# Altium PCB CGRA_Board_3.PcbDoc (part 5 of 7) (continued)
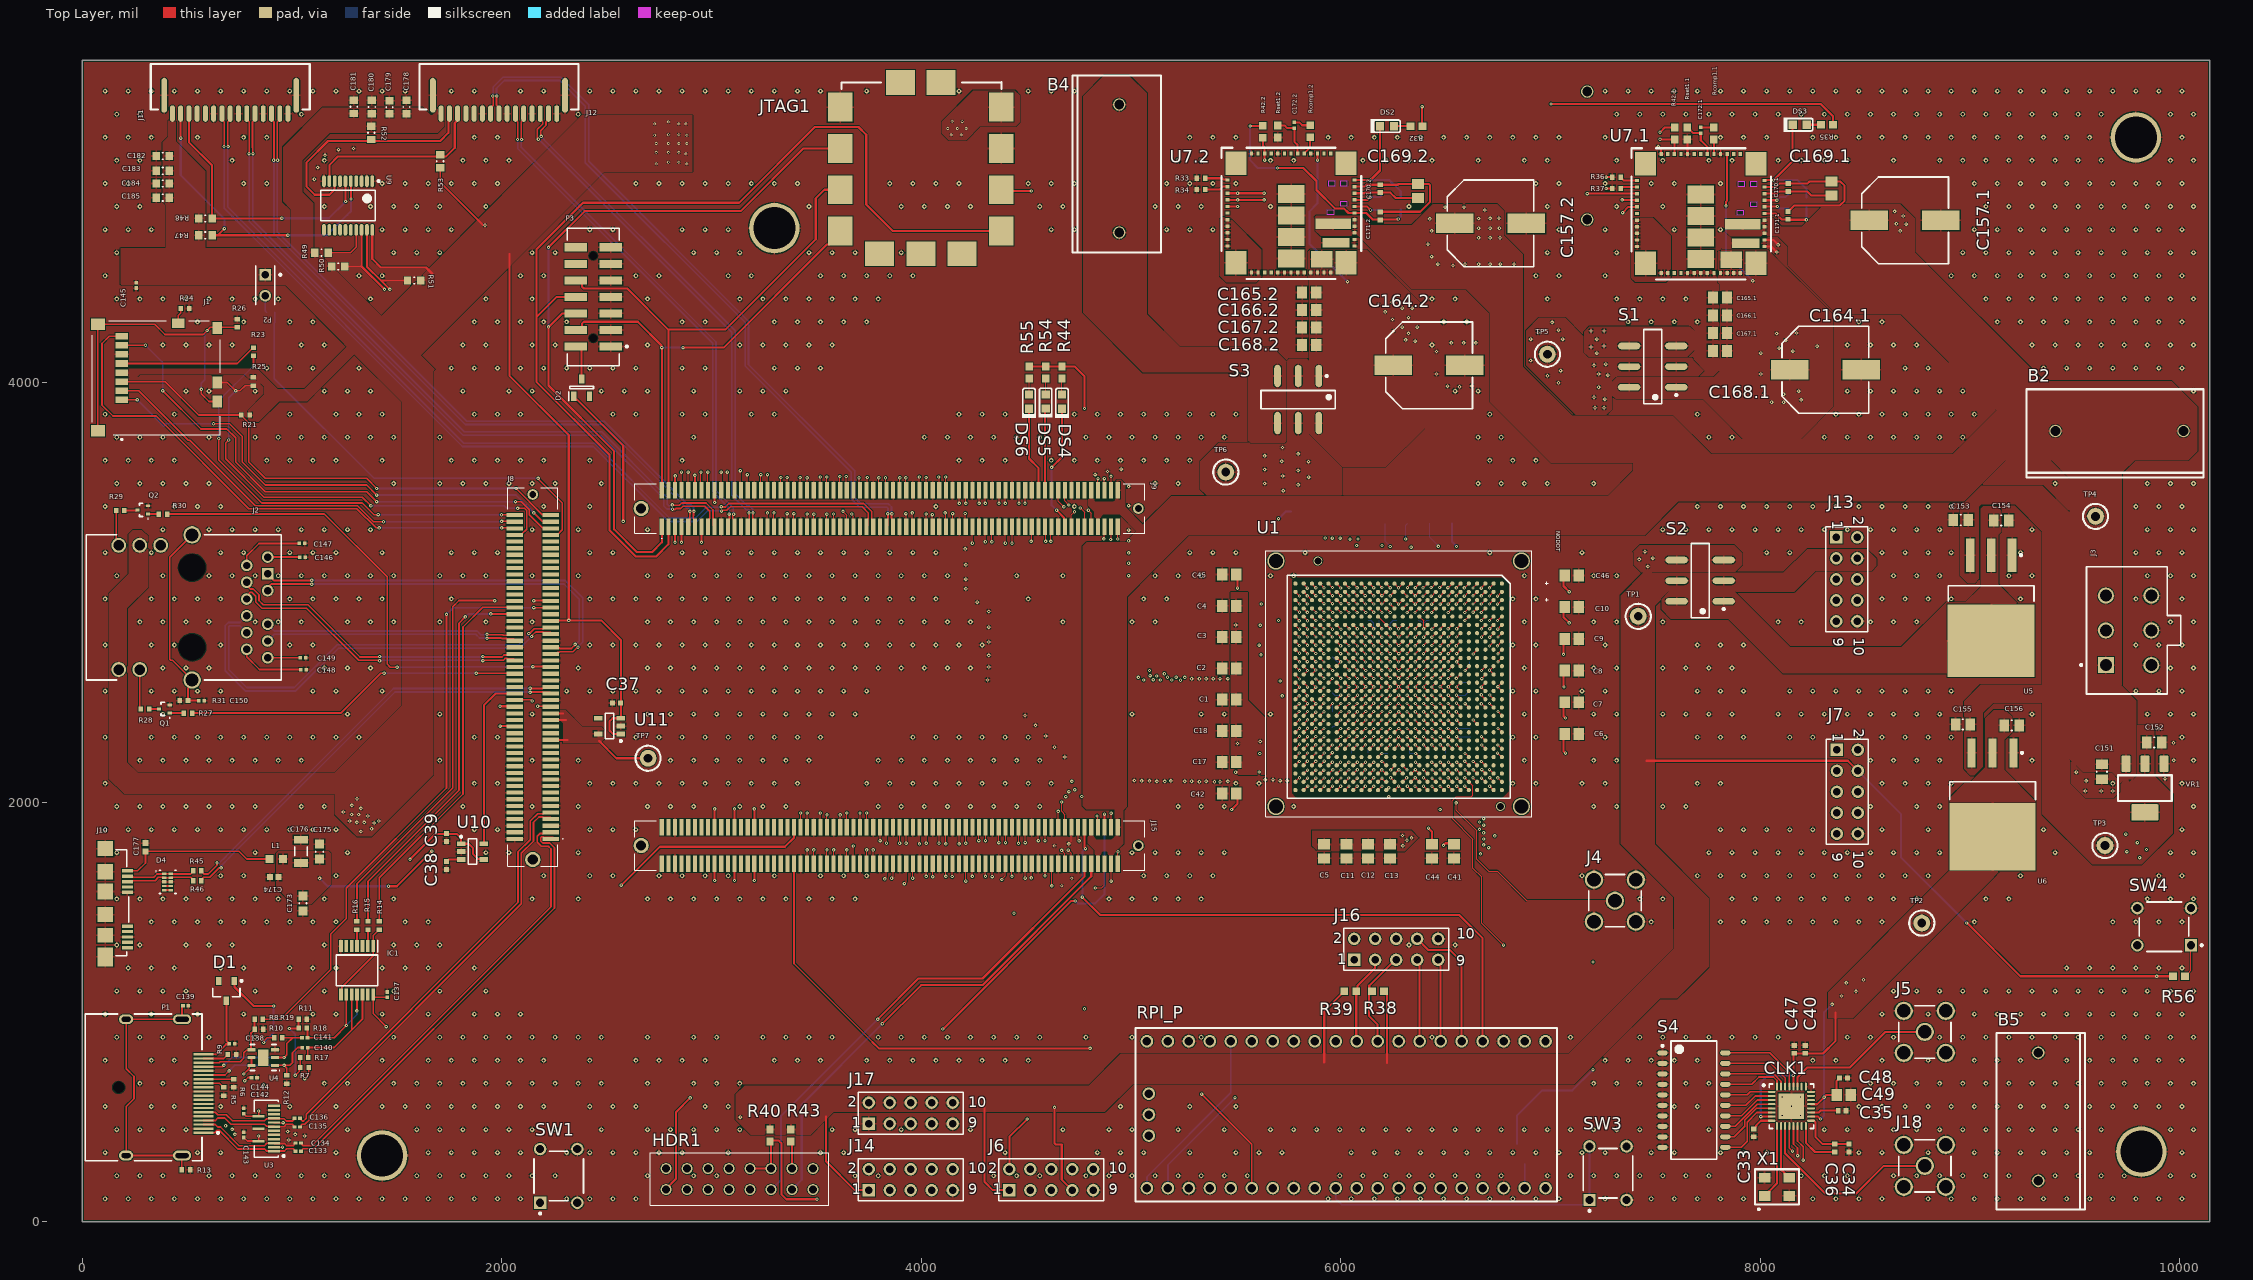
[diagram p0: Top Layer view]
## Nets (pads, with @x,y where several pads share a name; then routed paths per layer and width w, separated by ;. In a path a pad name is that pad's centre, name@x,y a point inside that pad or via, vN(x,y) a via of type N, cw(c..) or ccw(c..) an arc to the next point about the centre after c; other vN are vias at no path point) (continued)
SH_GND3: C150.2 J2.S1 J2.S2 R31.2 | length 943.2
  Top Layer w8: J2.S2@524.61,3275 417.49,3167.89 417.49,2681.69 422.18,2677 430.61,2677 J2.S1@524.61,2583 524.61,2562.79 504.69,2542.87 R31.2@504.69,2485 C150.2@556,2485
SH_GND4: J1.11 J1.12 J1.13 J1.14 R26.1 | length 1707.3
  Top Layer w8: J1.13@74.8,3770.92 J1.14@74.8,4278.8 346.55,4278.8 395.21,4230.13 577.13,4230.13 v2(596,4249) 611.32,4264.32 R26.1@740,4264.32 J1.11@644.69,4264.32 ; v2(568.29,3968.21) 568.29,3947.62 605.23,3910.69 J1.12@644.69,3910.69
  Bottom Layer w8: v2(568.29,3968.21) 568.29,3997.82 584.19,4013.72 584.19,4237.19 v2(596,4249)
SOM_PG_OUT: J15.41 RPI_P.26 | length 3418.4
  Top Layer w8: J15.41@3393.31,1707 3393.31,1231.69 3767.41,857.59 ; v4(5337,609) 5576,370 RPI_P.26@5576,161
  Top Layer w10: 3767.41,857.59 3798,827 v4(4805,827)
  Int5 (Sign) w10: v4(4805,827) 4861,827 4977,943 5171,943 5217,897 5217,729 v4(5337,609)
SOM_RESET_IN_N: J15.42 SW1.1 SW1.2 | length 2923.6
  Top Layer w10: v2@2570.5,1604.5 2754,1788 3350,1788 3393.31,1831.31 J15.42@3393.31,1880.23
  Int4 (Sign) w10: SW1.1@2183.42,91.05 2299.37,207 2323.37,207 ; SW1.2@2183.42,346.95 2323.37,207 ; v2(2570,1605) 2570,331 2446,207 2323.37,207
tlx_fwd_clk: J15.75 U1.AD26 | length 2421
  Top Layer w4: v4(3919.71,1612.28) 3928.74,1621.31 J15.75@3928.74,1707
  Top Layer w5: U1.AD26@5862.49,2058.3 5862.89,2058.3 5881.59,2077 v3(5882,2077)
  Int2 (Sign) w4: v4(4442,1471) 5316,1471 5862,2017 5862,2057 v3(5882,2077)
  Int5 (Sign) w4: v4(3919.71,1612.28) 3955.2,1612.28 4096.48,1471 v4(4442,1471)
tlx_fwd_flow_tdata0: J15.68 U1.K24 | length 3849.9
  Top Layer w4: J15.68@3802.76,1880.23 3804,1878.98 v2(3804,1817)
  Top Layer w5: v3(6394.5,2155.57) 6394.82,2155.57 6413.35,2137.04 U1.K24@6413.67,2137.04
  Int2 (Sign) w4: v2(3804,1817) 3804,1716.96 3801,1713.96 3801,1549.39 4439.39,911 5318.61,911 6412.85,2005.24 6416.5,2008.89 6416.5,2133.57 v3(6394.5,2155.57)
tlx_fwd_flow_tdata1: J15.69 U1.K25 | length 3618.6
  Top Layer w4: v2(3826,1635) 3834.25,1643.25 J15.69@3834.25,1707
  Top Layer w5: v3(6394.63,2117) 6394.63,2116.85 6413.67,2097.82 U1.K25@6413.67,2097.67
  Int2 (Sign) w4: v2(3826,1635) 3809,1618 3809,1552 4442,919 5316,919 6409,2012 6409,2102.63 v3(6394.63,2117)
tlx_fwd_flow_tready: J15.71 U1.L26 | length 3449.6
  Top Layer w4: v2(3859,1638) 3859,1638.65 3865.75,1645.39 J15.71@3865.75,1707
  Top Layer w5: v3(6354,2076.34) 6354.81,2076.34 6372.85,2058.3 U1.L26@6374.3,2058.3
  Int2 (Sign) w4: v2(3859,1638) 3849,1628 3849,1552 4442,959 5316,959 6354,1997 v3(6354,2076.34)
tlx_fwd_flow_tvalid: J15.70 U1.L23 | length 3768.3
  Top Layer w4: v2(3834.25,1805) J15.70@3834.25,1880.23
  Top Layer w5: v3(6355.85,2191.14) 6356.66,2191.14 6371.39,2176.41 U1.L23@6374.3,2176.41
  Int2 (Sign) w4: v2(3834.25,1805) 3834.25,1712.33 3840,1706.58 3840,1550.39 4440.39,950 5317.61,950 6372.85,2005.24 6372.85,2174.14 v3(6355.85,2191.14)
tlx_fwd_payload_tdata0: J15.64 U1.AC11 | length 2761.2
  Top Layer w4: J15.64@3739.76,1880.23 v2(3739.76,1949)
  Top Layer w5: U1.AC11@5901.86,2648.85 5901.86,2648.62 5920,2630.48 v3(5920,2630.25)
  Int4 (Sign) w4: v2(3739.76,1949) 3739.76,2001.62 3698,2043.38 3698,2156 3889,2347 4402,2347 4696.5,2641.5 5750.54,2641.5 5779.04,2613 5902.75,2613 v3(5920,2630.25)
tlx_fwd_payload_tdata1: J15.65 U1.AF11 | length 2875.4
  Top Layer w4: J15.65@3771.26,1707 v2(3771.26,1773)
  Top Layer w5: U1.AF11@5783.75,2648.85 5783.75,2648.6 5803,2629.34 v3(5803,2629.09)
  Int4 (Sign) w4: v2(3771.26,1773) 3771.26,1789.74 3724,1837 3724,1965.61 3662,2027.61 3662,2156 3889,2383 4387.09,2383 4653.09,2649 5763,2649 5782.91,2629.09 v3(5803,2629.09)
tlx_fwd_payload_tdata2: J15.62 U1.AC10 | length 2814.1
  Top Layer w4: J15.62@3708.27,1880.23 v2(3708.27,1949)
  Top Layer w5: U1.AC10@5901.86,2688.22 5901.86,2687.68 5920,2669.54 v3(5920,2669)
  Int4 (Sign) w4: v2(3708.27,1949) 3708.27,1970.73 3652,2027 3652,2156.61 3888.39,2393 4382.95,2393 4647.95,2658 5774.51,2658 5783.51,2649 5900,2649 v3(5920,2669)
tlx_fwd_payload_tdata3: J15.63 U1.AE10 | length 2955.8
  Top Layer w4: J15.63@3739.76,1707 v2(3739.76,1773)
  Top Layer w5: U1.AE10@5823.12,2688.22 5823.2,2688.22 5840.92,2670.5 v3(5841,2670.5)
  Int4 (Sign) w4: v2(3739.76,1773) 3739.76,1790.24 3691.27,1838.73 3691.27,1951.01 3630,2012.28 3630,2156 3889,2415 4373.83,2415 4639.83,2681 5686.74,2681 5690.74,2685 5826.5,2685 v3(5841,2670.5)
tlx_fwd_payload_tdata4: J15.59 U1.AD10 | length 2991.4
  Top Layer w4: J15.59@3676.77,1707 v2(3676.77,1792)
  Top Layer w5: U1.AD10@5862.49,2688.22 5862.85,2688.22 5880.57,2670.5 v3(5880.94,2670.5)
  Int4 (Sign) w4: v2(3676.77,1792) 3676.77,1817.34 3662,1832.11 3662,1969.67 3621,2010.67 3621,2157.61 3887.39,2424 4370.1,2424 4635.6,2689.5 5682.24,2689.5 5686.74,2694 5857.44,2694 v3(5880.94,2670.5)
tlx_fwd_payload_tdata5: J15.58 U1.AE9 | length 2786.4
  Top Layer w4: J15.58@3645.28,1880.23 v2(3645.28,1949)
  Top Layer w5: U1.AE9@5823.12,2727.59 5823.12,2726.78 5841.58,2708.31 v3(5841.58,2707.5)
  Int2 (Sign) w4: v2(5620,2703) 5631,2692 5826.21,2692 5841.58,2707.37 v3(5841.58,2707.5)
  Int4 (Sign) w4: v2(3645.28,1949) 3645.28,1975.79 3612,2009.07 3612,2159.21 3885.79,2433 4366.38,2433 4632.38,2699 5612.75,2699 5616.75,2703 v2(5620,2703)
tlx_fwd_payload_tdata6: J15.57 U1.AF9 | length 2942.9
  Top Layer w4: J15.57@3645.28,1707 v2(3645.28,1773)
  Top Layer w5: U1.AF9@5783.75,2727.59 5784.83,2727.59 5801.92,2710.5 v3(5803,2710.5)
  Int4 (Sign) w4: v2(3645.28,1773) 3645.28,1800.33 3629,1816.61 3629,1947.21 3593,1983.21 3593,2156 3889,2452 4358.51,2452 4624.51,2718 5686.74,2718 5694.24,2710.5 v3(5803,2710.5)
tlx_fwd_payload_tdata7: J15.56 U1.AD9 | length 2854.8
  Top Layer w4: J15.56@3613.78,1880.23 v2@3613.78,1939.22
  Top Layer w5: U1.AD9@5862.49,2727.59 5862.62,2727.59 5880.73,2709.48 v3(5880.86,2709.48)
  Int4 (Sign) w4: v2(3613.78,1940) 3613.78,1951.83 3584,1981.61 3584,2157.61 3887.39,2461 4354.78,2461 4620.78,2727 5694.24,2727 5697.24,2724 5866.34,2724 v3(5880.86,2709.48)
tlx_fwd_payload_tdata8: J15.53 U1.AD8 | length 3035.3
  Top Layer w4: J15.53@3582.28,1707 v2(3582.28,1773)
  Top Layer w5: U1.AD8@5862.49,2766.96 v3(5880.94,2748.5)
  Int2 (Sign) w4: v3@5880.78,2748.5 v3(5880.94,2748.5)
  Int4 (Sign) w4: v2(3582.28,1773) 3582.28,1786.33 3575,1793.61 3575,2159.21 3885.79,2470 4351.05,2470 4617.05,2736 5697.24,2736 5701.74,2731.5 5863.94,2731.5 v3(5880.94,2748.5)
tlx_fwd_payload_tdata9: J15.51 U1.AE8 | length 3030.2
  Top Layer w4: J15.51@3550.79,1707 v2(3550.79,1773)
  Top Layer w5: U1.AE8@5823.12,2766.96 5823.12,2766.64 5841.58,2748.17 v3(5841.58,2747.85)
  Int2 (Sign) w4: v2(5611,2749.5) 5611.98,2749.5 5630.48,2768 5821.43,2768 v3(5841.58,2747.85)
  Int4 (Sign) w4: v2(3550.79,1773) 3550.79,1793.61 3565,1807.83 3565,2159.82 3882.68,2477.5 4323.9,2477.5 4605.4,2759 5601.5,2759 v2(5611,2749.5)
tlx_fwd_payload_tdata10: J15.52 U1.AC8 | length 2943.7
  Top Layer w4: J15.52@3550.79,1880.23 v2(3550.79,1940)
  Top Layer w5: U1.AC8@5901.86,2766.96 5901.86,2766.14 5919.33,2748.66 v3(5919.33,2747.85)
  Int4 (Sign) w4: v2(3550.79,1940) 3551,1940.21 3551,1958 3543,1966 3543,2156 3889,2502 4337.8,2502 4603.8,2768 5611,2768 5617,2762 5905.18,2762 v3(5919.33,2747.85)
tlx_fwd_payload_tdata11: J15.50 U1.AE7 | length 2883.6
  Top Layer w4: J15.50@3519.29,1880.23 v2(3519.29,1949)
  Top Layer w5: U1.AE7@5823.12,2806.33 5823.19,2806.33 5841.51,2788.01 v3(5841.58,2788.01)
  Int4 (Sign) w4: v2(3519.29,1949) 3519.29,1975.79 3535,1991.5 3535,2158.61 3886.39,2510 4334.48,2510 4600.48,2776 5613.61,2776 5620.11,2769.5 5823.08,2769.5 v3(5841.58,2788.01)
tlx_fwd_payload_tdata12: J15.47 U1.AF7 | length 3037.2
  Top Layer w4: J15.47@3487.8,1707 v2(3487.8,1773)
  Top Layer w5: U1.AF7@5783.75,2806.33 5783.85,2806.33 5802.17,2788.01 v3(5802.27,2788.01)
  Int4 (Sign) w4: v2(3487.8,1773) 3487.8,1793.61 3504,1809.82 3504,1978.91 3512,1986.91 3512,2156 3889,2533 4324.96,2533 4579.96,2788.01 v3(5802.27,2788.01)
tlx_fwd_payload_tdata13: J15.45 U1.AC7 | length 3187.4
  Top Layer w4: J15.45@3456.3,1707 v2(3456.3,1773)
  Top Layer w5: U1.AC7@5901.86,2806.33 5901.86,2806.15 5920,2788.01 v3(5920,2787.83)
  Int4 (Sign) w4: v2(3456.3,1773) 3456.3,1793.61 3489.93,1827.24 3489.93,1985.89 3504,1999.96 3504,2158.61 3886.39,2541 4321.64,2541 4580.64,2800 5658.5,2800 5662.5,2804 5903.83,2804 v3(5920,2787.83)
tlx_fwd_payload_tdata14: J15.46 U1.AB7 | length 3067.5
  Top Layer w4: J15.46@3456.3,1880.23 v2(3456.3,1949)
  Top Layer w5: U1.AB7@5941.23,2806.33 5941.44,2806.33 5959.76,2788.01 v3(5959.97,2788.01)
  Int4 (Sign) w4: v2(3456.3,1949) 3456,1949.3 3456,1966 3496,2006 3496,2161.21 3883.79,2549 4318.33,2549 4569.33,2800 4570.04,2800 4577.54,2807.5 5654,2807.5 5658.5,2812 5935.98,2812 v3(5959.97,2788.01)
tlx_fwd_payload_tdata15: J15.44 U1.AE6 | length 2980.9
  Top Layer w4: J15.44@3424.8,1880.23 3425,1880.43 v2(3425,1949)
  Top Layer w5: U1.AE6@5823.12,2845.7 5823.12,2844.83 5841.58,2826.37 v3(5841.58,2825.5)
  Int4 (Sign) w4: v2(3425,1949) 3425,1966 3487.8,2028.8 3487.8,2163.61 3880.68,2556.5 3914.5,2556.5 3915,2557 4315.72,2557 4581.22,2822.5 5654,2822.5 5675.36,2843.86 5823.93,2843.86 5841.58,2826.21 v3(5841.58,2825.5)
tlx_fwd_payload_tdata16: J15.105 U1.AB24 | length 2369.5
  Top Layer w4: v2(4384.16,1632.17) 4401.18,1649.19 J15.105@4401.18,1707
  Top Layer w5: U1.AB24@5941.23,2137.04 5943.23,2137.04 5961.19,2155 v3(5962,2155)
  Int2 (Sign) w4: v2(4384.16,1632.17) 4371.38,1632.17 4303,1563.79 4303,1523 4442,1384 5316,1384 5934.76,2002.76 5934.76,2127.76 v3(5962,2155)
tlx_fwd_payload_tdata17: J15.118 U1.AB25 | length 2671.6
  Top Layer w4: v2(4590.16,1817) J15.118@4590.16,1880.23
  Top Layer w5: U1.AB25@5941.23,2097.67 5941.62,2097.67 5960.1,2116.15 v3(5960.5,2116.15)
  Int2 (Sign) w4: v2(4590.16,1817) 4551.93,1778.77 4507.37,1778.77 4305.12,1576.51 4290,1561.39 4290,1505 4442,1353 5316,1353 5943,1980 5943,2098.65 v3(5960.5,2116.15)
tlx_fwd_payload_tdata18: J15.116 U1.AA23 | length 2762.1
  Top Layer w4: v2(4558.66,1817) J15.116@4558.66,1880.23
  Top Layer w5: U1.AA23@5980.6,2176.41 5983.35,2176.41 5998.08,2191.14 v3(5998.89,2191.14)
  Int2 (Sign) w4: v2(4558.66,1817) 4543.66,1802 4520,1802 4281.5,1563.5 4281.5,1502.89 4440.93,1343.46 5317.07,1343.46 5977,2003.39 5977,2169.25 v3(5998.89,2191.14)
tlx_fwd_payload_tdata19: J15.101 U1.AA25 | length 2461.7
  Top Layer w4: J15.101@4338.19,1707 4338.44,1706.75 v2(4338.44,1645.39)
  Top Layer w5: U1.AA25@5980.6,2097.67 5981.8,2097.67 5999.84,2115.7 v3(6001.04,2115.7)
  Int2 (Sign) w4: v2(4338.44,1645.39) 4274,1580.96 4274,1489.5 4442,1321.5 5316,1321.5 5984.5,1990 5984.5,2099.16 v3(6001.04,2115.7)
tlx_fwd_payload_tdata20: J15.99 U1.Y23 | length 2567.4
  Top Layer w4: v2(4306.22,1647) 4306.22,1706.53 J15.99@4306.69,1707
  Top Layer w5: U1.Y23@6019.97,2176.41 6022.88,2176.41 6037.62,2191.14 v3(6038.43,2191.14)
  Int2 (Sign) w4: v2(4306.22,1647) 4306.22,1646.53 4258.7,1599.01 4258.7,1494.19 4438.89,1314 5319.11,1314 6015,2009.89 6015,2167.71 v3(6038.43,2191.14)
tlx_fwd_payload_tdata21: J15.104 U1.Y25 | length 2716.8
  Top Layer w4: J15.104@4369.69,1880.23 4369.69,1808.32 v2(4370,1808)
  Top Layer w5: U1.Y25@6019.97,2097.67 6019.97,2097.86 6037.62,2115.51 v3(6037.62,2115.7)
  Int2 (Sign) w4: v2(4370,1808) 4370,1788 4308.82,1726.82 4308.82,1671.37 4251.2,1613.76 4251.2,1491.09 4435.79,1306.5 5322.21,1306.5 6014.71,1999 6022.5,2006.79 6022.5,2100.59 v3(6037.62,2115.7)
tlx_fwd_payload_tdata22: J15.95 U1.Y26 | length 2503.9
  Top Layer w4: v2(4243.7,1647) J15.95@4243.7,1707
  Top Layer w5: U1.Y26@6019.97,2058.3 6020.32,2058.3 6039.02,2077 v3(6039.36,2077)
  Int2 (Sign) w4: v2(4243.7,1647) 4243.7,1479.8 4442,1281.5 5316,1281.5 6039.36,2004.86 v3(6039.36,2077)
tlx_fwd_payload_tdata23: J15.100 U1.W23 | length 2864
  Top Layer w4: v2(4306.69,1817) J15.100@4306.69,1880.23
  Top Layer w5: U1.W23@6059.34,2176.41 6063.41,2176.41 6078.14,2191.14 v3(6078.96,2191.14)
  Int2 (Sign) w4: v2(4306.69,1817) 4306.69,1785.69 4281.5,1760.5 4281.5,1732.5 4228,1679 4228,1484.89 4438.89,1274 5319.11,1274 6053,2007.89 6053,2165.19 v3(6078.96,2191.14)
tlx_fwd_payload_tdata24: J15.93 U1.W24 | length 2648.5
  Top Layer w4: v2(4212.2,1624) J15.93@4212.2,1707
  Top Layer w5: U1.W24@6059.34,2137.04 6060.18,2137.04 6078.14,2155 v3(6078.96,2155)
  Int2 (Sign) w4: v2(4212.2,1624) 4212.2,1490.08 4435.79,1266.5 5322.21,1266.5 6061,2005.29 6061,2137.04 v3(6078.96,2155)
tlx_fwd_payload_tdata25: J15.98 U1.W25 | length 2913.5
  Top Layer w4: v2(4274,1817) 4274,1879.03 J15.98@4275.2,1880.23
  Top Layer w5: U1.W25@6059.34,2097.67 6059.75,2097.67 6077.59,2115.51 v3(6078,2115.51)
  Int2 (Sign) w4: v2(4274,1817) 4274,1744 4188,1658 4188,1646.11 4165.9,1624 4165.9,1511.1 4442,1235 5316,1235 6093,2012 6093,2100.51 v3(6078,2115.51)
tlx_fwd_payload_tdata26: J15.94 U1.V24 | length 2954.6
  Top Layer w4: v2(4212.2,1805) J15.94@4212.2,1880.23
  Top Layer w5: U1.V24@6098.71,2137.04 6098.91,2137.04 6116.63,2154.76 v3(6116.84,2154.76)
  Int2 (Sign) w4: v2(4212.2,1805) 4212.2,1786.7 4211.5,1786 4211.5,1692.1 4180.5,1661.11 4180.5,1649.21 4158.4,1627.11 4158.4,1508 4165.9,1500.5 4438.89,1227.5 5319.11,1227.5 6101,2009.39 6101,2138.92 v3(6116.84,2154.76)
tlx_fwd_payload_tdata27: J15.89 U1.V26 | length 2762.8
  Top Layer w4: v2(4147.69,1645.97) 4147.69,1705.48 J15.89@4149.21,1707
  Top Layer w5: U1.V26@6098.71,2058.3 6098.78,2058.3 6116.93,2076.45 v3(6117,2076.45)
  Int2 (Sign) w4: v2(4147.69,1645.97) 4147.69,1643.27 4144.62,1640.2 4144.62,1638.66 4110,1604.04 4110,1535 4442,1203 5316,1203 6117,2004 v3(6117,2076.45)
tlx_fwd_payload_tdata28: J15.92 U1.V25 | length 3025.6
  Top Layer w4: v2(4180.71,1802) J15.92@4180.71,1880.23
  Top Layer w5: U1.V25@6098.71,2097.67 6098.84,2097.67 6116.87,2115.7 v3(6117,2115.7)
  Int2 (Sign) w4: v2(4180.71,1802) 4133,1754.29 4133,1639.39 4102.5,1608.89 4102.5,1531.89 4439.39,1195 5318.61,1195 6131.5,2007.89 6131.5,2101.2 v3(6117,2115.7)
tlx_fwd_payload_tdata29: J15.87 U1.U23 | length 2930.4
  Top Layer w4: v2(4117.5,1647) 4117.5,1706.78 J15.87@4117.72,1707
  Top Layer w5: U1.U23@6138.08,2176.41 6141.45,2176.41 6156.19,2191.14 v3(6157,2191.14)
  Int2 (Sign) w4: v2(4117.5,1647) 4095,1624.5 4095,1528.79 4100.79,1523 4436.29,1187.5 5321.71,1187.5 6139,2004.79 6139,2173.14 v3(6157,2191.14)
tlx_fwd_payload_tdata30: J15.88 U1.U25 | length 3097.1
  Top Layer w4: v2(4117.72,1802) J15.88@4117.72,1880.23
  Top Layer w5: U1.U25@6138.08,2097.67 6138.08,2097.87 6157,2116.8 v3(6157,2117)
  Int2 (Sign) w4: v2(4117.72,1802) 4092.5,1776.78 4092.5,1642.25 4084,1633.75 4084,1521 4442,1163 5316,1163 6174,2021 6174,2100 v3(6157,2117)
tlx_fwd_payload_tdata31: J15.86 U1.U24 | length 3154.6
  Top Layer w4: v2(4085,1805) 4085,1879.01 J15.86@4086.22,1880.23
  Top Layer w5: U1.U24@6138.08,2137.04 6138.68,2137.04 6156.4,2154.76 v3(6157,2154.76)
  Int2 (Sign) w4: v2(4085,1805) 4085,1655 4075.28,1645.28 4075.28,1519.11 4439.39,1155 5318.61,1155 6183,2019.39 6183,2128.05 6157,2154.05 v3(6157,2154.76)
tlx_fwd_payload_tdata32: J15.83 U1.T26 | length 2975.4
  Top Layer w4: v2(4054.72,1645.28) J15.83@4054.72,1707
  Top Layer w5: U1.T26@6177.45,2058.3 6178.11,2058.3 6196.15,2076.34 v3(6196.81,2076.34)
  Int2 (Sign) w4: v2(4054.72,1645.28) 4054.72,1504.28 4442,1117 5316,1117 6196.81,1997.81 v3(6196.81,2076.34)
tlx_fwd_payload_tdata33: J15.81 U1.R26 | length 3033.9
  Top Layer w4: J15.81@4023.23,1707 4024,1706.23 v2(4024,1647)
  Top Layer w5: U1.R26@6216.82,2058.3 6217.2,2058.3 6228.42,2069.52 v3(6228.81,2069.52)
  Int2 (Sign) w4: v2(4024,1647) 4024,1510.43 4442,1092.43 5316,1092.43 6206,1982.43 6206,2046.71 v3(6228.81,2069.52)
tlx_fwd_payload_tdata34: J15.82 U1.R23 | length 3416.8
  Top Layer w4: J15.82@4023.23,1880.23 4024,1879.46 v2(4024,1805)
  Top Layer w5: v3(6196.15,2194.81) 6196.96,2194.81 6215.36,2176.41 U1.R23@6216.82,2176.41
  Int2 (Sign) w4: v2(4024,1805) 3991.73,1772.73 3991.73,1631.8 3974.93,1615 3974.93,1548.89 4438.89,1084.93 5319.11,1084.93 6228.81,1994.63 v2(6228.81,2026.69)
  Int4 (Sign) w4: v3(6196.15,2194.81) 6214.96,2176 6214.96,2040.54 v2(6228.81,2026.69)
tlx_fwd_payload_tdata35: J15.80 U1.P25 | length 3352.2
  Top Layer w4: v2(3991.73,1802) J15.80@3991.73,1880.23
  Top Layer w5: v3(6237.48,2117) 6237.48,2116.69 6256.19,2097.98 U1.P25@6256.19,2097.67
  Int2 (Sign) w4: v2(3991.73,1802) 3980.12,1790.38 3980.12,1630.79 3967,1617.67 3967,1546.22 4436.22,1077 5321.78,1077 6252.5,2007.72 6252.5,2101.98 v3(6237.48,2117)
tlx_fwd_payload_tdata36: J15.77 U1.P23 | length 3237.9
  Top Layer w4: v2(3959,1638) 3959,1705.76 J15.77@3960.24,1707
  Top Layer w5: v3(6237.48,2154.76) 6237.48,2156.23 6256.19,2174.94 U1.P23@6256.19,2176.41
  Int2 (Sign) w4: v2(3959,1638) 3959,1543.61 4433.61,1069 5324.39,1069 6260,2004.61 6260,2132.24 v3(6237.48,2154.76)
tlx_fwd_payload_tdata37: J15.76 U1.N25 | length 3454.2
  Top Layer w4: v2(3928,1805) 3928,1879.49 J15.76@3928.74,1880.23
  Top Layer w5: U1.N25@6295.56,2097.67 6295.56,2098.23 6313.78,2116.44 v3(6313.78,2117)
  Int2 (Sign) w4: v2(3928,1805) 3945,1788 3945,1589 3938.24,1582.24 3938.24,1541.76 4442,1038 5316,1038 6289,2011 6289,2092.22 v3(6313.78,2117)
tlx_fwd_payload_tdata38: J15.119 U1.N23 | length 2889.1
  Top Layer w4: J15.119@4621.65,1707 4621.65,1603.13 v4(4622.91,1601.87)
  Top Layer w5: U1.N23@6295.56,2176.41 6295.56,2175.34 6315.33,2155.57 v3(6315.33,2154.76)
  Int2 (Sign) w4: v4(4778,1016) 5304.61,1016 5727.61,1439 5735.29,1439 6297.22,2000.93 6297.22,2077.98 6333.43,2114.19 6333.43,2136.66 v3(6315.33,2154.76)
  Int5 (Sign) w4: v4(4622.91,1601.87) 4722,1502.78 4722,1072 v4(4778,1016)
tlx_fwd_payload_tdata39: J15.74 U1.M26 | length 3523.5
  Top Layer w4: v2(3897.24,1805) J15.74@3897.24,1880.23
  Top Layer w5: v3(6317.33,2076.6) 6317.33,2076.25 6334.93,2058.65 U1.M26@6334.93,2058.3
  Int2 (Sign) w4: v2(3897.24,1805) 3887.88,1795.64 3887.88,1552 4442,997.88 5316,997.88 6335.12,2017 6335.12,2056.34 6317.33,2074.12 v3(6317.33,2076.6)
tlx_fwd_payload_tready: J15.107 U1.AC26 | length 2193.9
  Top Layer w4: v2(4432.68,1647) J15.107@4432.68,1707
  Top Layer w5: U1.AC26@5901.86,2058.3 5902.08,2058.3 5920.78,2077 v3(5921,2077)
  Int2 (Sign) w4: v2(4432.68,1647) 4397.46,1611.79 4361.61,1611.79 4321,1571.18 4321,1549.39 4439.39,1431 5318.61,1431 5921,2033.39 v3(5921,2077)
tlx_fwd_payload_tvalid: J15.117 U1.AC25 | length 2357.4
  Top Layer w4: v2(4590.16,1649.07) J15.117@4590.16,1707
  Top Layer w5: U1.AC25@5901.86,2097.67 5902.19,2097.67 5920.67,2116.15 v3(5921,2116.15)
  Int2 (Sign) w4: v2(4590.16,1649.07) 4545.38,1604.29 4364.71,1604.29 4329,1568.57 4329,1552 4442,1439 5316,1439 5903,2026 5903,2098.15 v3(5921,2116.15)
tlx_rev_clk: J15.122 U1.AD1 | length 2093.7
  Top Layer w4: J15.122@4653.15,1880.23 v2(4653.15,1956.94)
  Top Layer w5: U1.AD1@5862.49,3042.55 5862.49,3042.15 5881.24,3023.4 v3(5881.24,3023)
  Int2 (Sign) w4: v2(5035.04,2595.85) 5035.04,2607.8 5096.24,2669 5096.24,2790.52 5272.79,2967.07 5541,2967.07 5616.55,3042.61 5861.62,3042.61 v3(5881.24,3023)
  Int4 (Sign) w4: v2(4653.15,1956.94) 4653.15,2135.89 4701.46,2184.19 4900.26,2383 5028.24,2383 5035.04,2389.8 v2(5035.04,2595.85)
tlx_rev_flow_tdata0: J15.111 U1.C1 | length 4517.3
  Top Layer w4: v2(4495.67,1638.66) J15.111@4495.67,1707
  Top Layer w5: v3(6670.04,3021) 6670.04,3021.81 6689.26,3041.03 U1.C1@6689.26,3042.55
  Int4 (Sign) w4: v2(4495.67,1638.66) 4495.67,1596.07 4607.36,1484.39 6475.3,1484.39 6989.15,1998.24 6989.15,3189.97 6962.97,3216.15 6828.09,3216.15 6681,3069.06 6681,3031.96 v3(6670.04,3021)
tlx_rev_flow_tdata1: J15.112 U1.C4 | length 4746.3
  Top Layer w4: v2(4495.67,1808) J15.112@4495.67,1880.23
  Top Layer w5: v3(6670.22,2905.01) 6670.22,2905.21 6689.26,2924.24 U1.C4@6689.26,2924.44
  Int4 (Sign) w4: v2(4495.67,1808) 4511,1792.67 4511,1594.39 4611.35,1494.04 6449.95,1494.04 6474.34,1494.04 6979.5,1999.2 6979.5,3176.5 6949.5,3206.5 6829.05,3206.5 6690.65,3068.11 6690.65,2925.43 v3(6670.22,2905.01)
tlx_rev_flow_tdata2: J15.113 U1.A3 | length 4445.6
  Top Layer w4: v2(4525,1640) 4525,1704.83 J15.113@4527.17,1707
  Top Layer w5: v3(6747,2944.56) 6747.81,2944.56 6767.06,2963.81 U1.A3@6768,2963.81
  Int4 (Sign) w4: v2(4525,1640) 4525,1591 4614.46,1501.54 6471.24,1501.54 6972,2002.3 6972,3168.3 6941.3,3199 6832.15,3199 6765,3131.85 6765,2962.56 v3(6747,2944.56)
tlx_rev_flow_tready: J15.110 U1.D3 | length 4941.9
  Top Layer w4: v2(4464,1804) 4464,1816.83 4464.17,1817 J15.110@4464.17,1880.23
  Top Layer w5: v3(6630.5,2945) 6630.79,2945 6649.6,2963.81 U1.D3@6649.89,2963.81
  Int4 (Sign) w4: v2(4464,1804) 4464,1583.9 4486.85,1561.05 4594.52,1453.39 6454.91,1453.39 7020.15,2018.63 7020.15,3199 6972,3247.15 6832.15,3247.15 6650,3065 6650,2964.5 v3(6630.5,2945)
tlx_rev_flow_tvalid: J15.106 U1.D1 | length 5043.3
  Top Layer w4: J15.106@4401.18,1880.23 4402,1879.41 v2(4402,1807.83)
  Top Layer w5: v3(6630,3021.81) 6630,3022.24 6649.89,3042.13 U1.D1@6649.89,3042.55
  Int4 (Sign) w4: v2(4402,1807.83) 4402,1786.33 4454.35,1733.98 4454.35,1547.59 4581.05,1420.89 6433.01,1420.89 7038,2025.88 7038,3213.65 6972,3279.65 6832.15,3279.65 6617.5,3065 6617.5,3034.31 v3(6630,3021.81)
tlx_rev_payload_tdata0: J9.93 U1.AC1 | length 3518.2
  Top Layer w4: v2(4210,3377) 4210,3316.2 J9.93@4212.2,3314
  Top Layer w5: U1.AC1@5901.86,3042.55 5901.86,3041.85 5920,3023.7 v3(5920,3023)
  Int2 (Sign) w4: v2(4210,3377) 4209.93,3377.07 4209.93,3383.07 4196,3397 4180,3397 4165,3412 4165,3460 4135,3490 4135,3609 4061,3683 3966,3683 3944.79,3704.21 3944.79,3737 4116.29,3908.5 5852.71,3908.5 5909.5,3851.71 5909.5,3233 5920,3222.5 v3(5920,3023)
tlx_rev_payload_tdata1: J9.88 U1.AB3 | length 3452.2
  Top Layer w4: v2(4116.29,3551) 4116.29,3488.66 J9.88@4117.72,3487.23
  Top Layer w5: U1.AB3@5941.23,2963.81 5942.46,2963.81 5959.27,2947 v3(5960.5,2947)
  Int2 (Sign) w4: v2(4116.29,3551) 4116.29,3606.71 4079,3644 3979,3644 3927,3696 3927,3737 4122,3932 5847,3932 5933,3846 5933,3268.34 5926,3261.34 v2(5926,3260)
  Int4 (Sign) w4: v2(5926,3260) 5940.48,3245.52 5940.48,2967.02 v3(5960.5,2947)
tlx_rev_payload_tdata2: J9.86 U1.AB2 | length 3401.2
  Top Layer w4: v2(4083,3551) 4083,3549.92 4086.22,3546.7 J9.86@4086.22,3487.23
  Top Layer w5: U1.AB2@5941.23,3003.18 5941.77,3003.18 5959.95,2985 v3(5960.5,2985)
  Int2 (Sign) w4: v2(4083,3551) 4083,3590.5 4040,3633.5 3978.5,3633.5 3916.39,3695.61 3916.39,3737 4119.39,3940 5849.61,3940 5941,3848.61 5941,3004.5 v3(5960.5,2985)
tlx_rev_payload_tdata3: J9.89 U1.AA4 | length 3776.2
  Top Layer w4: J9.89@4149.21,3314 4149.21,3374.13 4150,3374.92 v2(4150,3376)
  Top Layer w5: U1.AA4@5980.6,2924.44 5981.08,2924.44 6000.52,2905 v3(6001,2905)
  Int2 (Sign) w4: v2(4150,3376) 4150,3454 4067,3537 4067,3582.44 4023.44,3626 3968,3626 3903,3691 3903,3752 4122,3971 5847,3971 5972,3846 5972,3271.24 v2(5959.76,3259)
  Int4 (Sign) w4: v2(5959.76,3259) 5980,3238.76 5980,2926 v3(6001,2905)
tlx_rev_payload_tdata4: J9.87 U1.AA2 | length 3694.9
  Top Layer w4: v2(4114.29,3380) 4114.29,3379.09 4117.72,3375.66 J9.87@4117.72,3314
  Top Layer w5: U1.AA2@5980.6,3003.18 5980.97,3003.18 5999.13,2985.02 v3(5999.5,2985.02)
  Int2 (Sign) w4: v2(4114.29,3380) 4114.29,3463.71 4053,3525 4053,3576 4017,3612 3966,3612 3892.39,3685.61 3892.39,3752 4119.39,3979 5849.61,3979 5980,3848.61 5980,3005.21 5999.5,2985.71 v3(5999.5,2985.02)
tlx_rev_payload_tdata5: J9.82 U1.Y4 | length 3662.7
  Top Layer w4: J9.82@4023.23,3487.23 4023.44,3487.44 v2(4023.44,3548)
  Top Layer w5: U1.Y4@6019.97,2924.44 6019.97,2924.19 6038.91,2905.25 v3(6038.91,2905)
  Int2 (Sign) w4: v2(4023.44,3548) 4023.44,3576 3998.44,3601 3947,3601 3878,3670 3878,3766 4122,4010 5847,4010 6011,3846 6011,3273 v2(5997,3259)
  Int4 (Sign) w4: v2(5997,3259) 6019,3237 6019,2924.91 v3(6038.91,2905)
tlx_rev_payload_tdata6: J9.80 U1.Y2 | length 3576.9
  Top Layer w4: v2(3991,3551) 3991,3487.96 J9.80@3991.73,3487.23
  Top Layer w5: U1.Y2@6019.97,3003.18 6019.97,3003.11 6039,2984.07 v3(6039,2984)
  Int2 (Sign) w4: v2(3991,3551) 3991,3570 3976.39,3584.61 3941.39,3584.61 3867.39,3658.61 3867.39,3766 4119.39,4018 5849.61,4018 6019,3848.61 6019,3004 v3(6039,2984)
tlx_rev_payload_tdata7: J9.83 U1.Y1 | length 3742.2
  Top Layer w4: v2(4053,3371.08) 4053,3315.72 J9.83@4054.72,3314
  Top Layer w5: U1.Y1@6019.97,3042.55 6020.06,3042.55 6038.91,3023.7 v3(6039,3023.7)
  Int2 (Sign) w4: v2(4053,3371.08) 4053,3461 3858,3656 3858,3767.21 4116.29,4025.5 5852.71,4025.5 6026.5,3851.71 6026.5,3036.2 v3(6039,3023.7)
tlx_rev_payload_tdata8: J9.81 U1.W4 | length 3920.9
  Top Layer w4: J9.81@4023.23,3314 4023.44,3314.21 v2(4023.44,3374.11)
  Top Layer w5: U1.W4@6059.34,2924.44 6059.34,2924.05 6078,2905.39 v3(6078,2905)
  Int2 (Sign) w4: v2(4023.44,3374.11) 4023.44,3479.96 3850.5,3652.89 3850.5,3653.5 3848,3656 3848,3776 4122,4050 5847,4050 6051,3846 6051,3262.84 6044,3255.84 v2(6044,3254.5)
  Int4 (Sign) w4: v2(6044,3254.5) 6059,3239.5 6059,2924 v3(6078,2905)
tlx_rev_payload_tdata9: J9.76 U1.W3 | length 3698.1
  Top Layer w4: v2(3927,3547) 3927,3488.97 J9.76@3928.74,3487.23
  Top Layer w5: U1.W3@6059.34,2963.81 6059.34,2963.74 6078,2945.07 v3(6078,2945)
  Int2 (Sign) w4: v2(3927,3547) 3827.39,3646.61 3827.39,3766 4119.39,4058 5849.61,4058 6059,3848.61 6059,2964 v3(6078,2945)
tlx_rev_payload_tdata10: J9.74 U1.W2 | length 3688.1
  Top Layer w4: J9.74@3897.24,3487.23 3898,3487.98 3898,3547 v2(3898.13,3547.13)
  Top Layer w5: U1.W2@6059.34,3003.18 6059.34,3002.96 6078,2984.3 v3(6078,2984.07)
  Int2 (Sign) w4: v2(3898.13,3547.13) 3897.23,3548.03 3897.23,3551.77 3816.79,3632.21 3816.79,3766 4116.29,4065.5 5852.71,4065.5 6066.5,3851.71 6066.5,3233 v2(6075.51,3223.99)
  Int5 (Sign) w4: v2(6075.51,3223.99) 6059,3207.47 6059,3003.07 v3(6078,2984.07)
tlx_rev_payload_tdata11: J9.77 U1.V3 | length 3990.3
  Top Layer w4: v2(3958,3380) 3958,3316.24 J9.77@3960.24,3314
  Top Layer w5: U1.V3@6098.71,2963.81 6098.86,2963.81 6117.67,2945 v3(6117.82,2945)
  Int2 (Sign) w4: v2(3958,3380) 3958,3465 3799,3624 3799,3766 4122,4089 5847,4089 6090,3846 6090,3263.34 6082,3255.34 v2(6082,3255)
  Int4 (Sign) w4: v2(6082,3255) 6098,3239 6098,2964.82 v3(6117.82,2945)